# Altium PCB lora_gw_som_pcb.PcbDoc (part 1 of 3) (continued)
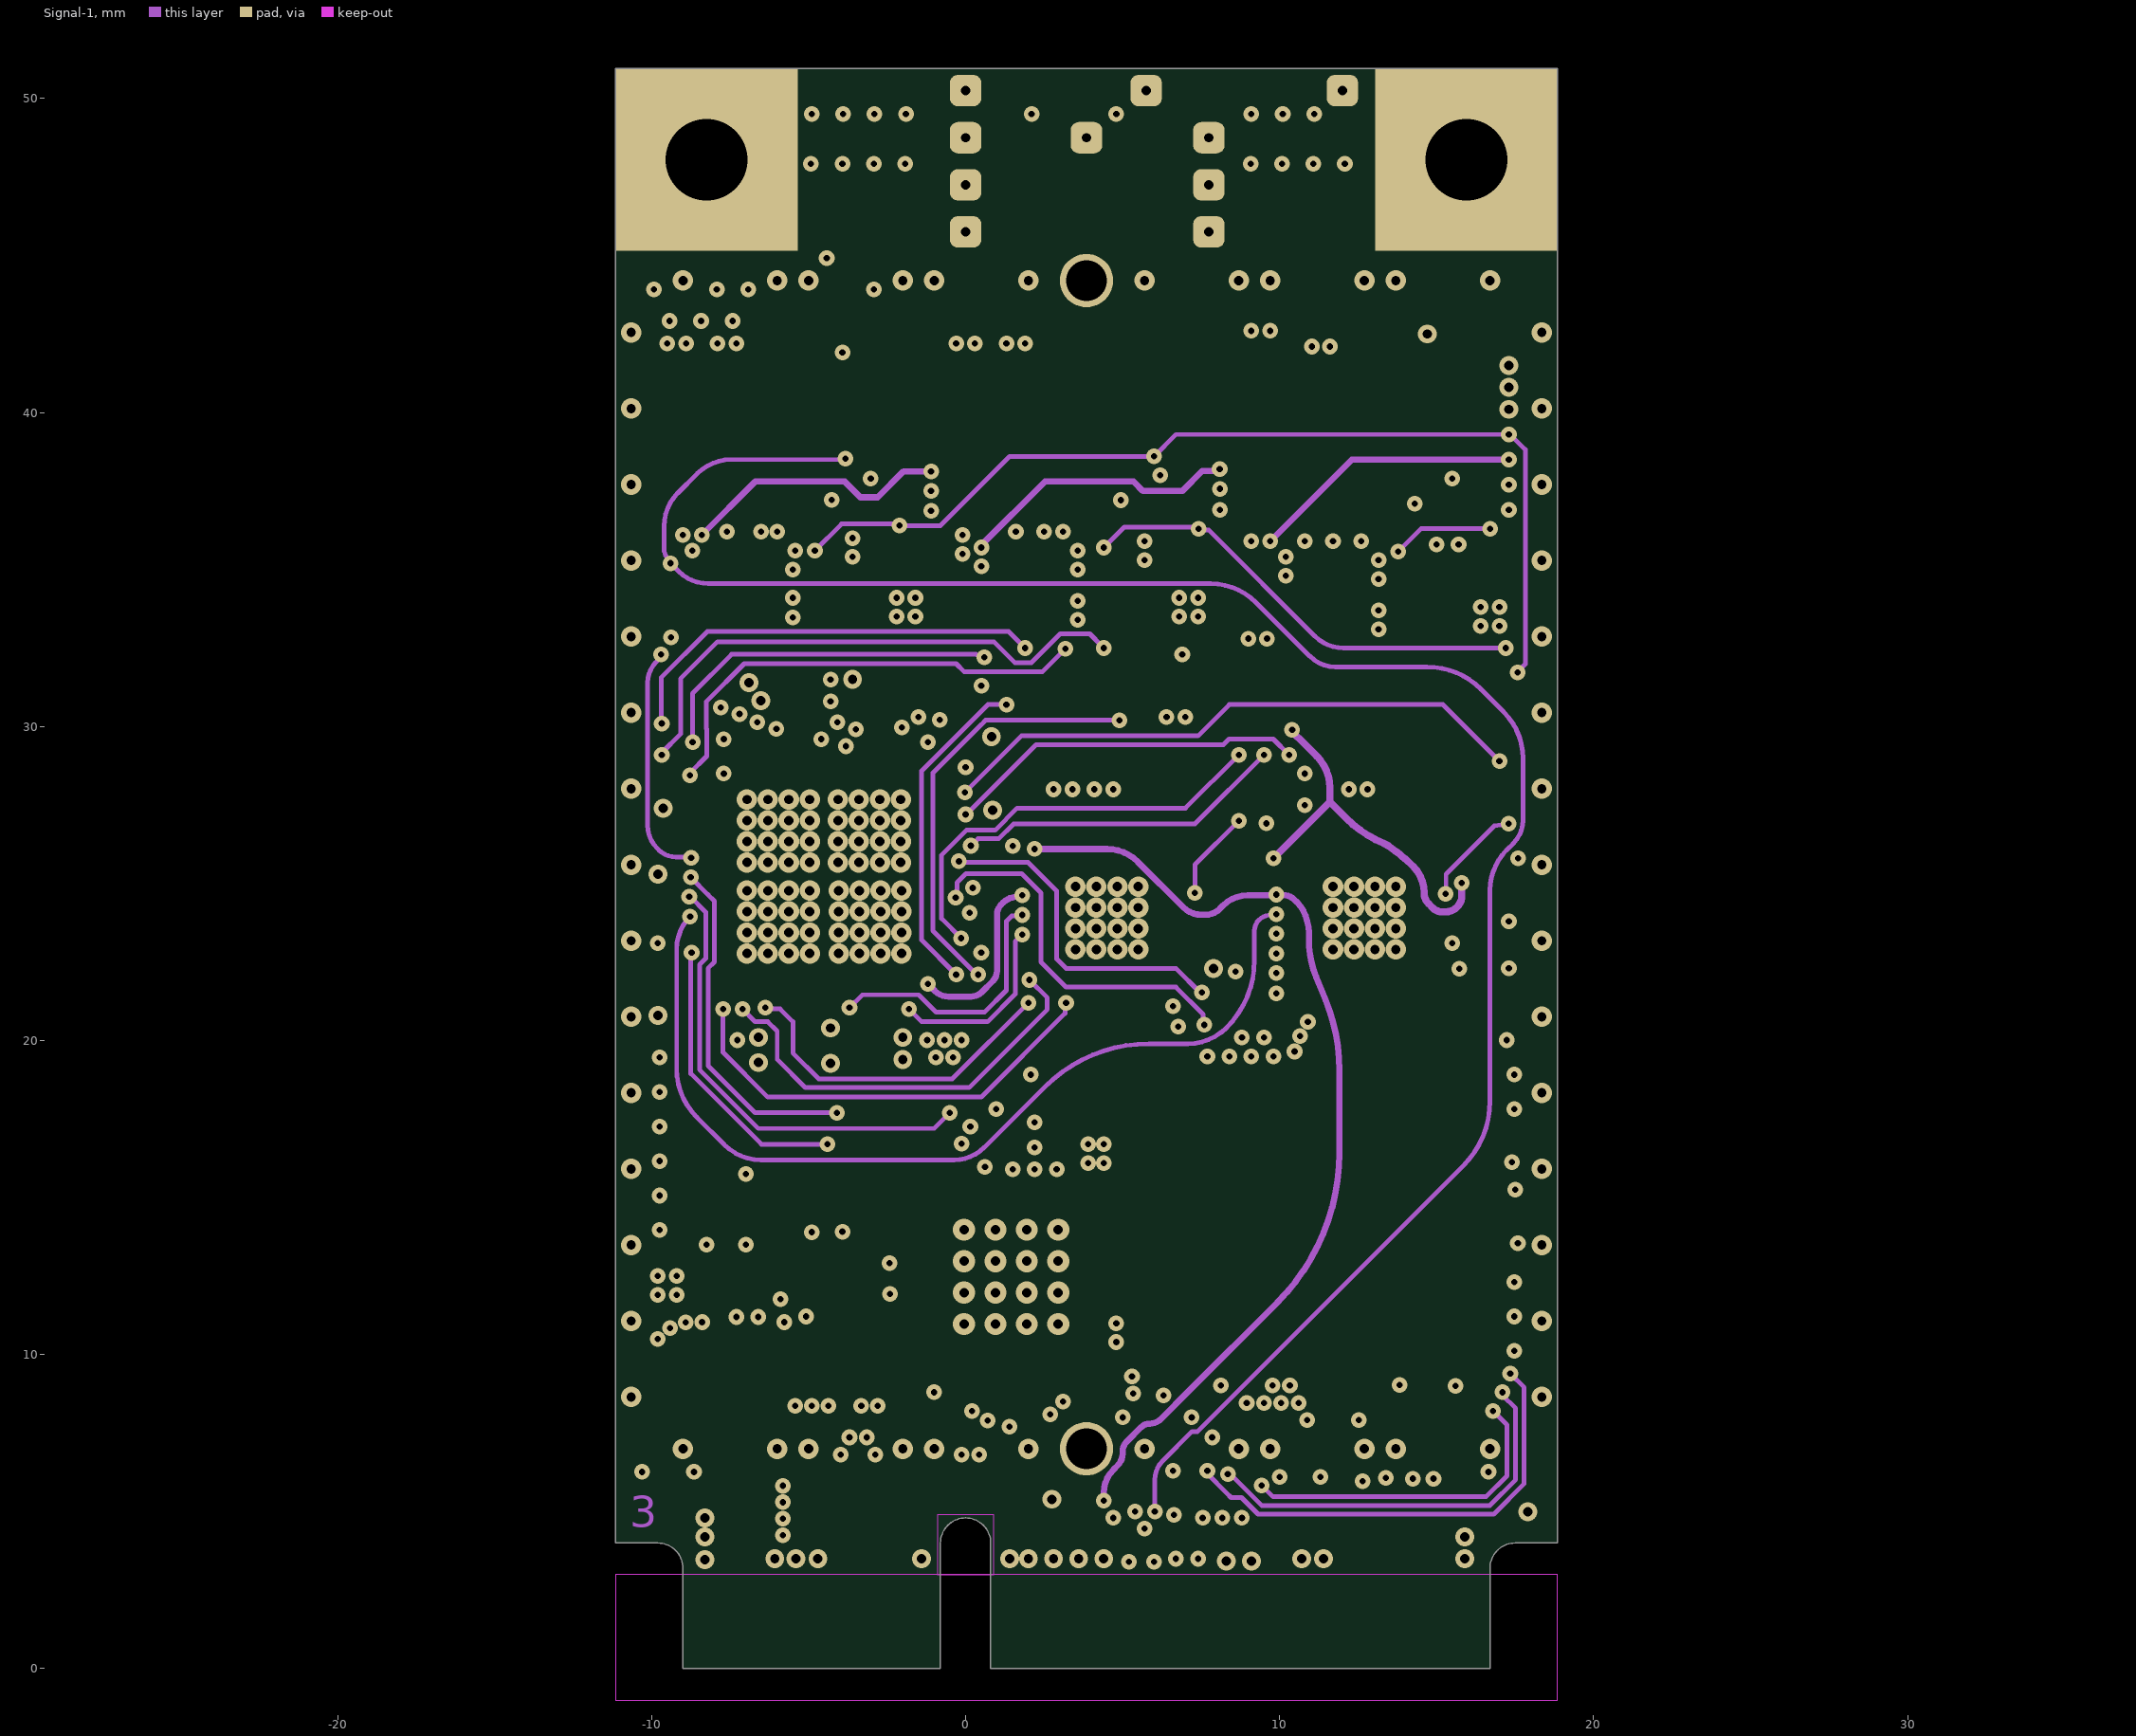
[diagram p3: Signal-1]
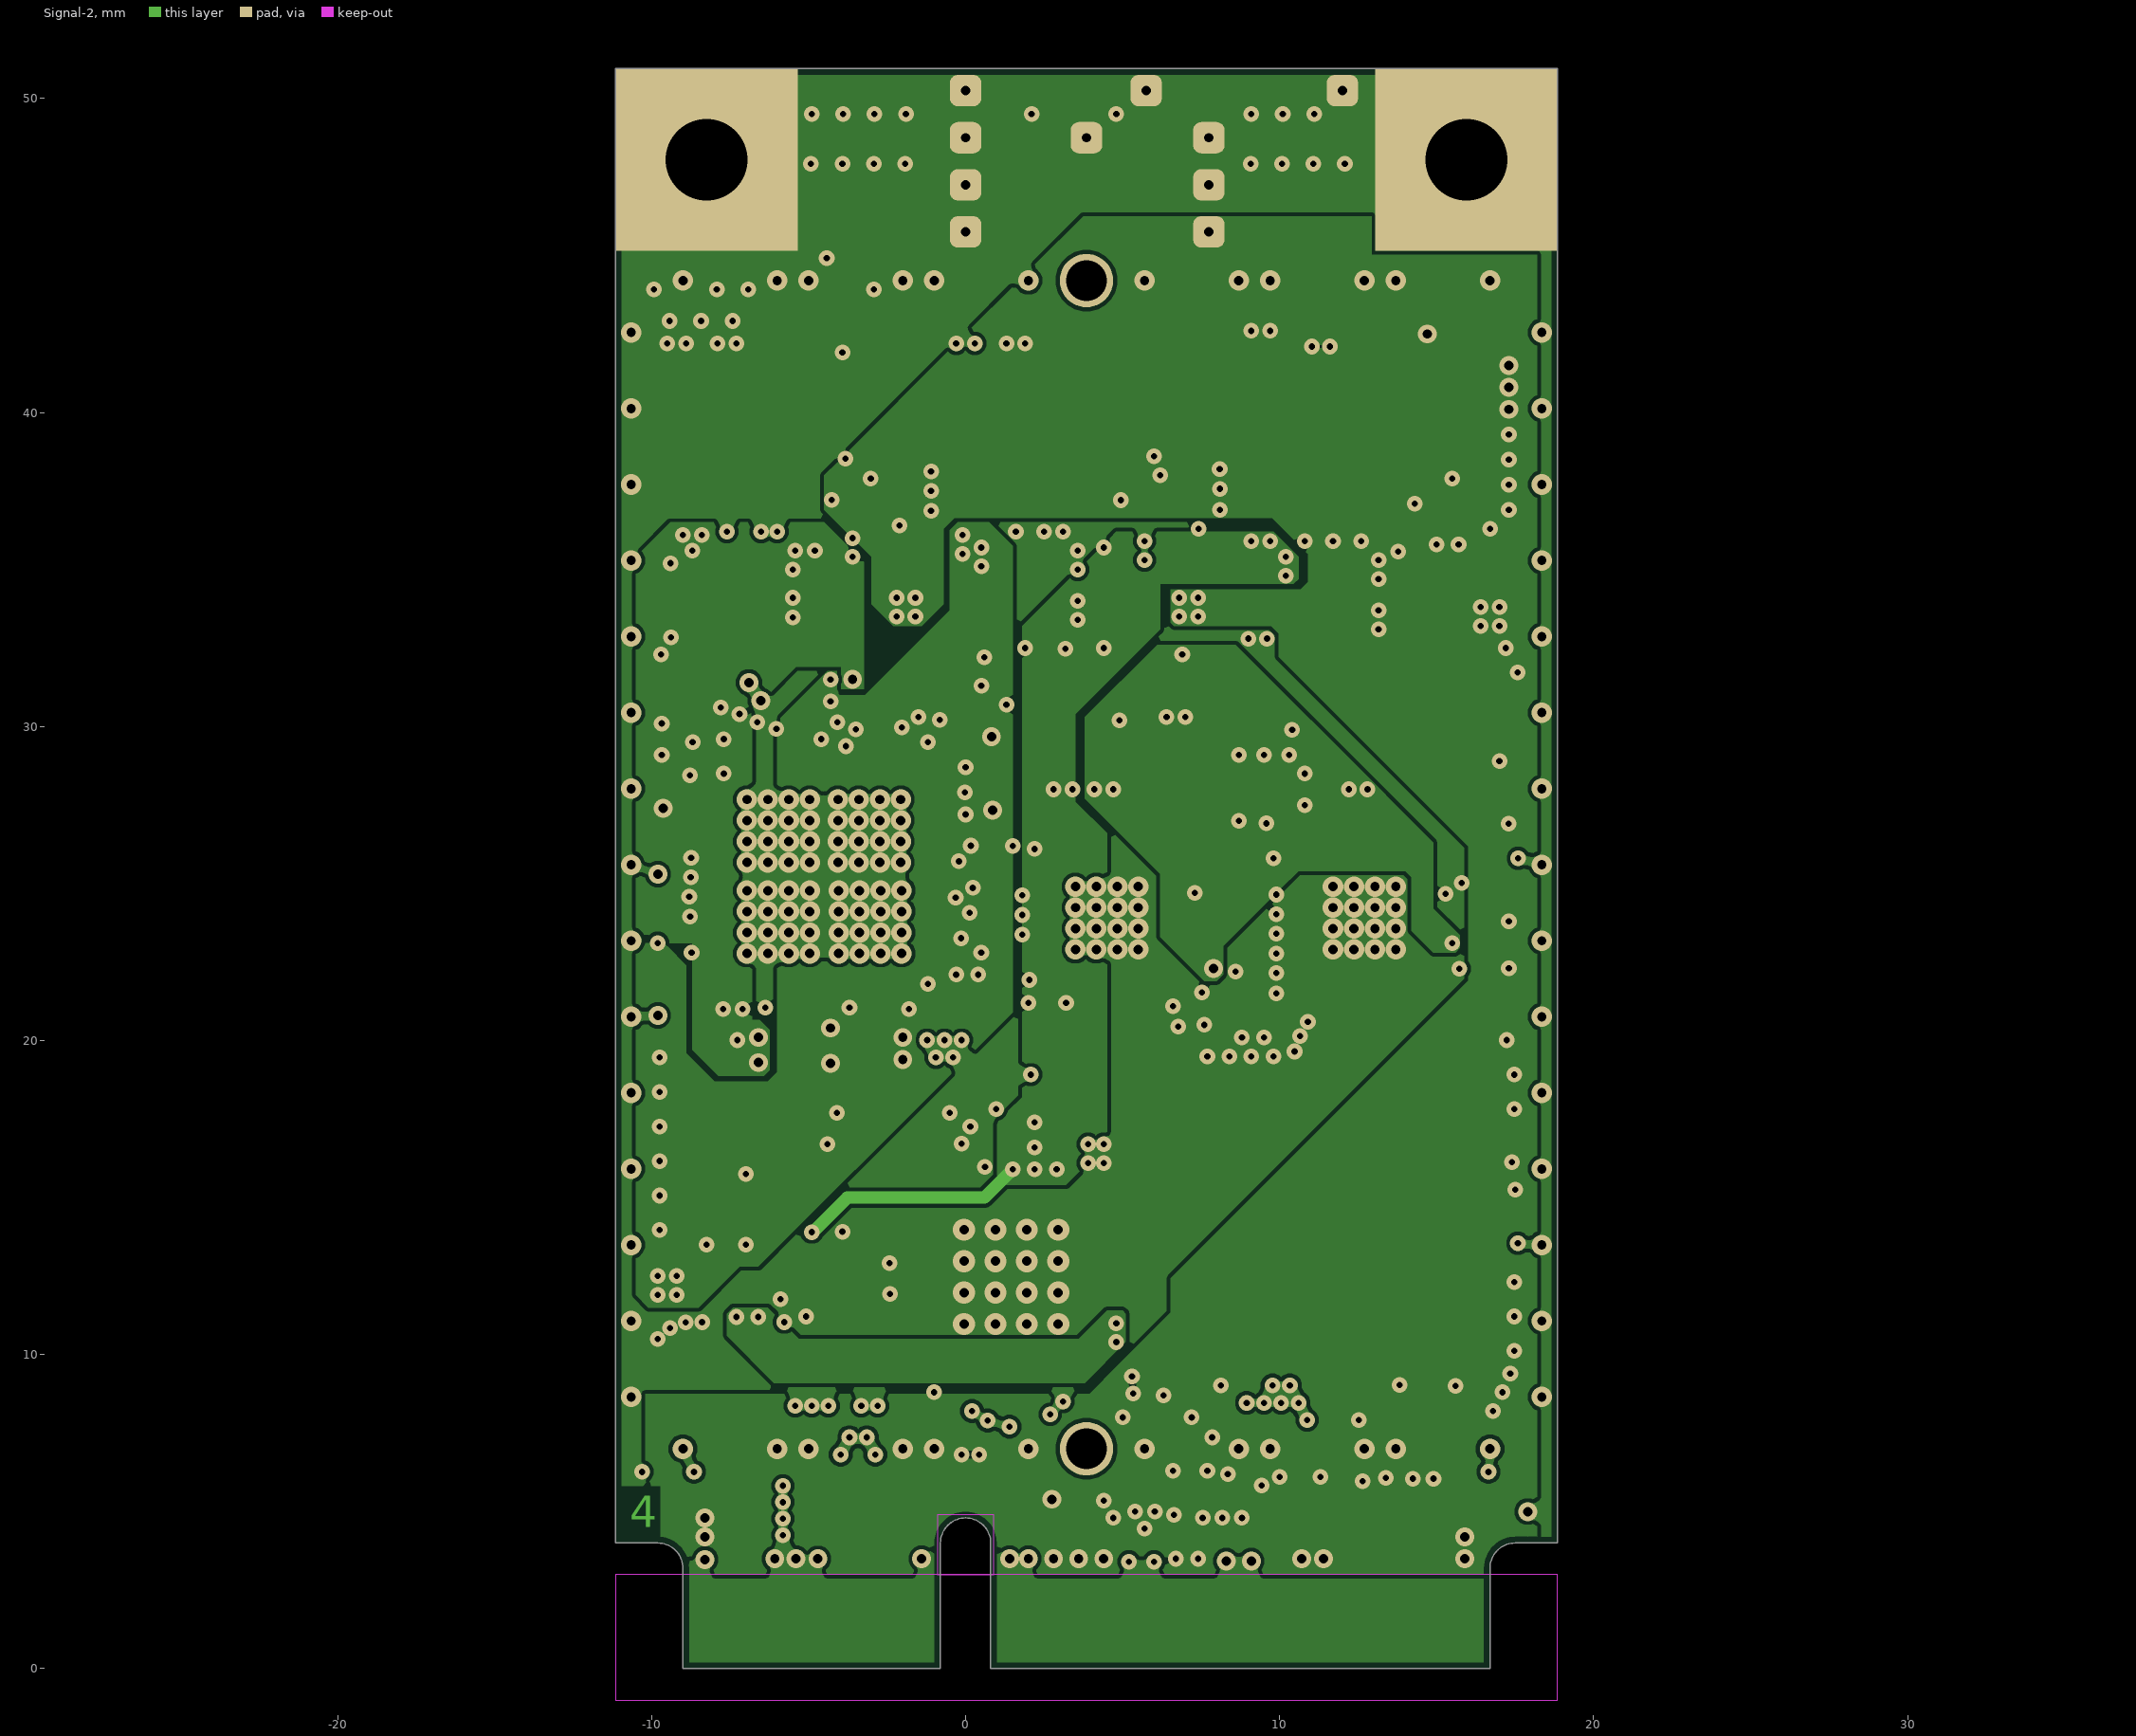
[diagram p4: Signal-2]
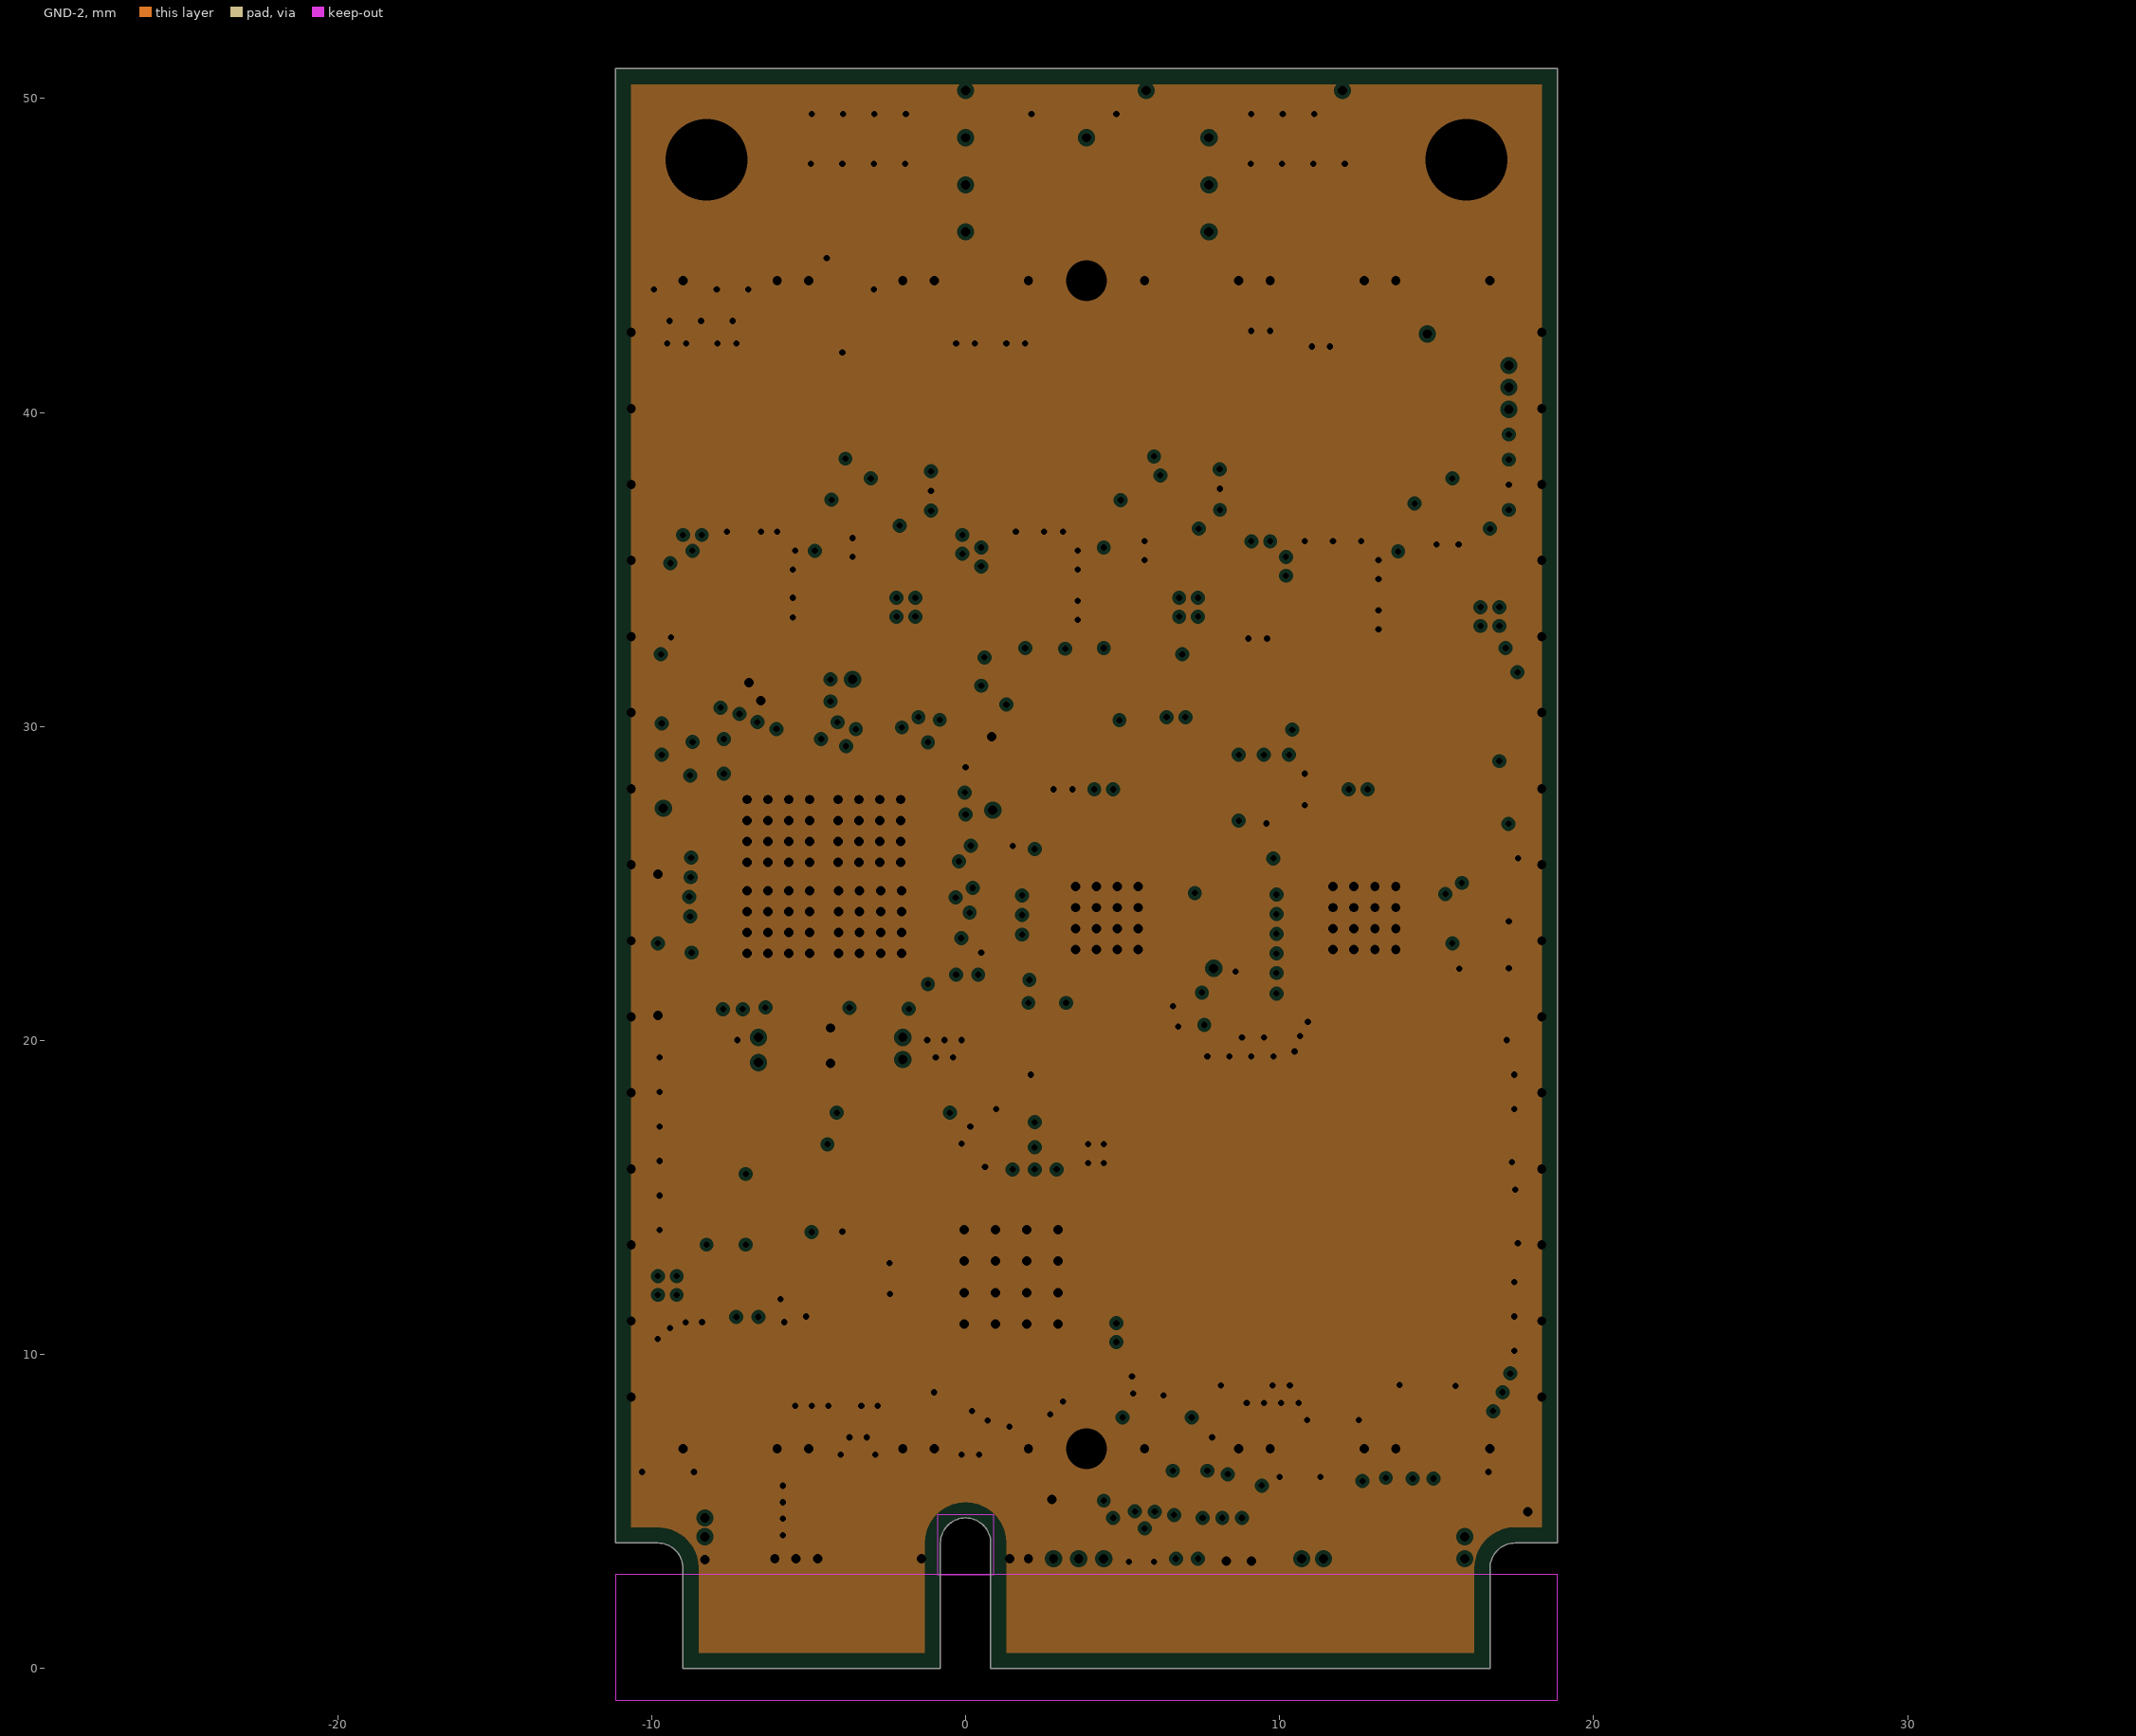
[diagram p5: GND-2, clearances drawn from the general rule]
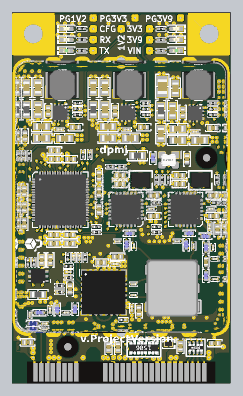
[diagram p8: 3D render of the assembled board from above, using the file's embedded part models]
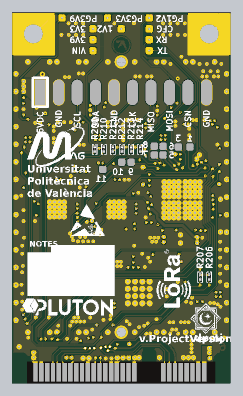
[diagram p9: 3D render of the assembled board from below, using the file's embedded part models]

## Layer stack, top to bottom
Top Solder: solder mask 0.025, SM-001, Dk 4
Top: signal copper 0.018
PP-top: prepreg 0.13, PP-008, Dk 4.1
GND-1: plane copper 0.035, net GND
Core-1: core 0.18, Core-009, Dk 4.5
Signal-1: signal copper 0.035
PP-mid: prepreg 0.13, PP-008, Dk 4.1
Signal-2: signal copper 0.035
Core-2: core 0.18, Core-009, Dk 4.5
GND-2: plane copper 0.035, net GND
PP-bottom: prepreg 0.13, PP-008, Dk 4.1
Bottom: signal copper 0.018
Board Layer Stack Bottom Solder: solder mask 0.025, SM-001, Dk 4

## Board outline
-9,0 -9,3.2 ccw(c-9.8,3.2) -9.8,4 -11.15,4 -11.15,50.95 18.85,50.95 18.85,4 17.5,4 ccw(c17.5,3.2) 16.7,3.2 16.7,0 0.8,0 0.8,4 ccw(c0,4) -0.8,4 -0.8,0

## Design rules (kind name [scope] priority, off if disabled: settings)
BoardOutlineClearance BoardOutlineClearance_MH_SH [InComponent('MH1') Or InComponent('MH2') Or InComponent('SH1')] p1: gap=0 ignorepadtopadclearanceinfootprint=FALSE
BoardOutlineClearance BoardOutlineClearance_layers [WithinRoom('layers_room')] p2: gap=0 ignorepadtopadclearanceinfootprint=FALSE
BoardOutlineClearance BoardOutlineClearance_EARTH [InNet('EARTH')] p3: gap=0.1 ignorepadtopadclearanceinfootprint=FALSE
BoardOutlineClearance [All] p4: gap=0.2 ignorepadtopadclearanceinfootprint=FALSE
Clearance "Schematic Clearance Constraint" [InNet('RFIO')] p1: gap=0.25 ignorepadtopadclearanceinfootprint=TRUE
Clearance "Stitching GND" [IsStitchingVia and InNet('GND') vs (IsVia and (Not IsStitchingVia)) Or IsPad] p2: gap=0.15 ignorepadtopadclearanceinfootprint=FALSE
Clearance "Schematic Clearance Constraint_1" [InNetClass('RF50')] p3: gap=0.2 ignorepadtopadclearanceinfootprint=TRUE
Clearance [All] p4: gap=0.125 ignorepadtopadclearanceinfootprint=TRUE
ComponentClearance clearance_shield [InComponent('SH1')] p1: gap=0 collisioncheckmode=3 verticalgap=0.254 showdistances=FALSE
ComponentClearance [All] p2: gap=0.254 collisioncheckmode=3 verticalgap=0.254 showdistances=FALSE
DiffPairsRouting Diff_100ohmDiffPairsRouting [InDifferentialPairClass('Diff_100ohm')] p1: maxlimit=0.127 minlimit=0.127 mostfreqgap=0.127 toplayer_minwidth=0.181 toplayer_maxwidth=0.181 toplayer_prefwidth=0.181 midlayer1_minwidth=0.109 midlayer1_maxwidth=0.109 midlayer1_prefwidth=0.109 midlayer2_minwidth=0.109 midlayer2_maxwidth=0.109 midlayer2_prefwidth=0.109 bottomlayer_minwidth=0.181 bottomlayer_maxwidth=0.181 bottomlayer_prefwidth=0.181 maxuncoupledlength=12.7
DiffPairsRouting Diff_90ohmDiffPairsRouting [InDifferentialPairClass('Diff_90ohm')] p2: maxlimit=0.127 minlimit=0.127 mostfreqgap=0.127 toplayer_minwidth=0.181 toplayer_maxwidth=0.181 toplayer_prefwidth=0.181 midlayer1_minwidth=0.109 midlayer1_maxwidth=0.109 midlayer1_prefwidth=0.109 midlayer2_minwidth=0.109 midlayer2_maxwidth=0.109 midlayer2_prefwidth=0.109 bottomlayer_minwidth=0.181 bottomlayer_maxwidth=0.181 bottomlayer_prefwidth=0.181 impedanceprofiledriven=TRUE impedanceprofileid={266757C6-EAF0-4150-87D3-D6DA855A85D4} impedanceprofilevalue=90.000000 maxuncoupledlength=5
DiffPairsRouting [All] p3: maxlimit=0.2 minlimit=0.2 mostfreqgap=0.2 toplayer_minwidth=0.16 toplayer_maxwidth=0.3 toplayer_prefwidth=0.2 midlayer1_minwidth=0.16 midlayer1_maxwidth=0.3 midlayer1_prefwidth=0.2 midlayer2_minwidth=0.16 midlayer2_maxwidth=0.3 midlayer2_prefwidth=0.2 bottomlayer_minwidth=0.16 bottomlayer_maxwidth=0.3 bottomlayer_prefwidth=0.2 maxuncoupledlength=12.7
HoleSize [All] p1: absolutevalues=TRUE maxlimit=6 minlimit=0.2 maxpercent=80.000 minpercent=20.000
HoleToHoleClearance [All] p1: gap=0.25 allowstackedmicrovias=FALSE
MatchedLengths "Schematic Matched Net Lengths_7" [InNetClass('SPI HOST')] p1: tolerance=20 checknetsindiffpair=FALSE checkdiffpairvsdiffpair=TRUE checkxsignals=TRUE checkothers=TRUE
MatchedLengths "Schematic Matched Net Lengths_6" [InNetClass('SPI A')] p2: tolerance=20 checknetsindiffpair=FALSE checkdiffpairvsdiffpair=TRUE checkxsignals=TRUE checkothers=TRUE
MatchedLengths "Schematic Matched Net Lengths_5" [InNetClass('SPI B')] p3: tolerance=20 checknetsindiffpair=FALSE checkdiffpairvsdiffpair=TRUE checkxsignals=TRUE checkothers=TRUE
MatchedLengths "Schematic Matched Net Lengths_4" [InNetClass('SPI PCI')] p4: tolerance=20 checknetsindiffpair=FALSE checkdiffpairvsdiffpair=TRUE checkxsignals=TRUE checkothers=TRUE
MatchedLengths "Schematic Matched Net Lengths_3" [InNetClass('I2C')] p5: tolerance=20 checknetsindiffpair=FALSE checkdiffpairvsdiffpair=TRUE checkxsignals=TRUE checkothers=TRUE
MatchedLengths "Schematic Matched Net Lengths_2" [InNetClass('IQ')] p6: tolerance=20 checknetsindiffpair=FALSE checkdiffpairvsdiffpair=TRUE checkxsignals=TRUE checkothers=TRUE
MatchedLengths "Schematic Matched Net Lengths_1" [InNetClass('IQ')] p7: tolerance=20 checknetsindiffpair=FALSE checkdiffpairvsdiffpair=TRUE checkxsignals=TRUE checkothers=TRUE
MatchedLengths ETH_iterpair_skew [InNetClass('ETH')] p8: tolerance=1.2 checknetsindiffpair=FALSE checkdiffpairvsdiffpair=TRUE checkxsignals=TRUE checkothers=TRUE
MatchedLengths GETH_interpair_skew [InNetClass('GETH')] p9: tolerance=15.2 checknetsindiffpair=FALSE checkdiffpairvsdiffpair=TRUE checkxsignals=TRUE checkothers=TRUE
MatchedLengths Diff_100ohm_intrapair_skew [InDifferentialPairClass('Diff_100ohm')] p10: tolerance=1.2 checknetsindiffpair=TRUE checkdiffpairvsdiffpair=FALSE checkxsignals=FALSE checkothers=FALSE
MatchedLengths Diff_90ohm_intrapair_skew [InDifferentialPairClass('Diff_90ohm')] p11: tolerance=1.2 checknetsindiffpair=TRUE checkdiffpairvsdiffpair=FALSE checkxsignals=FALSE checkothers=FALSE
MinimumSolderMaskSliver [All] p1: minsoldermaskwidth=0.01
PlaneClearance [All] p1: clearance=0.125
PlaneConnect [All] p1: planeconnectstyle=Direct reliefexpansion=0.2 reliefentries=4 reliefconductorwidth=0.2 reliefairgap=0.2
PolygonConnect [All] p1: connectstyle=Direct reliefconductorwidth=0.2 reliefentries=4 polygonreliefangle="90 Angle" airgapwidth=0.2
RoutingCorners [All] p1: cornerstyle=45-Degree minsetback=2 maxsetback=2
RoutingVias [All] p1: holewidth=0.3 width=0.6 viastyle="Through Hole" minholewidth=0.3 minwidth=0.6 maxholewidth=1 maxwidth=1.6 useviatemplates=TRUE viatemplateguid#1={B83C1DB5-1E8A-4A3A-A780-077A5B02C8E5} viatemplateguid#2={C10989D9-7007-40CA-B9F0-CD30393320E6} viatemplatename#1=v40h20_lib viatemplatename#2=v60h30_lib
SilkToSilkClearance [All] p1: silktosilkclearance=0
SilkToSolderMaskClearance [IsPad] p1: minsilkscreentomaskgap=0.06 clearancetoexposedcopper=TRUE
SolderMaskExpansion SolderMaskExpansion_Via [IsVia] p1: expansion=0.06 istentingtop=FALSE soldermaskfromhole=TRUE
SolderMaskExpansion [All] p2: expansion=0.06 istentingtop=FALSE
Width "Schematic Width Constraint_4" [InNetClass('POWER')] p1: maxlimit=2 minlimit=0.2 preferedwidth=0.4
Width "Schematic Width Constraint_3" [InNet('VCC_IO_3V3')] p2: maxlimit=0.5 minlimit=0.2 preferedwidth=0.4 minimp=50.000000 maximp=50.000000 favimp=50.000000
Width "Schematic Width Constraint_1" [InNet('VCC_CORE_1V2')] p3: maxlimit=0.5 minlimit=0.2 preferedwidth=0.4 minimp=50.000000 maximp=50.000000 favimp=50.000000
Width "Schematic Width Constraint" [InNetClass('RF50')] p4: maxlimit=0.227 minlimit=0.104 preferedwidth=0.227 toplayer_minwidth=0.227 midlayer1_maxwidth=0.104 midlayer1_prefwidth=0.104 midlayer2_maxwidth=0.104 midlayer2_prefwidth=0.104 bottomlayer_minwidth=0.227 impedanceprofiledriven=TRUE impedanceprofileid={CDDA0CBB-3701-4042-A26C-5B9D6D4CF3E0} impedanceprofilevalue=50.000000 minimp=50.000000 maximp=50.000000 favimp=50.000000
Width [All] p5: maxlimit=2 minlimit=0.15 preferedwidth=0.15
20 further rules are at their usual default settings.
